# Altium PCB adc_brd_raton_v0.PcbDoc (part 1 of 5) (continued)
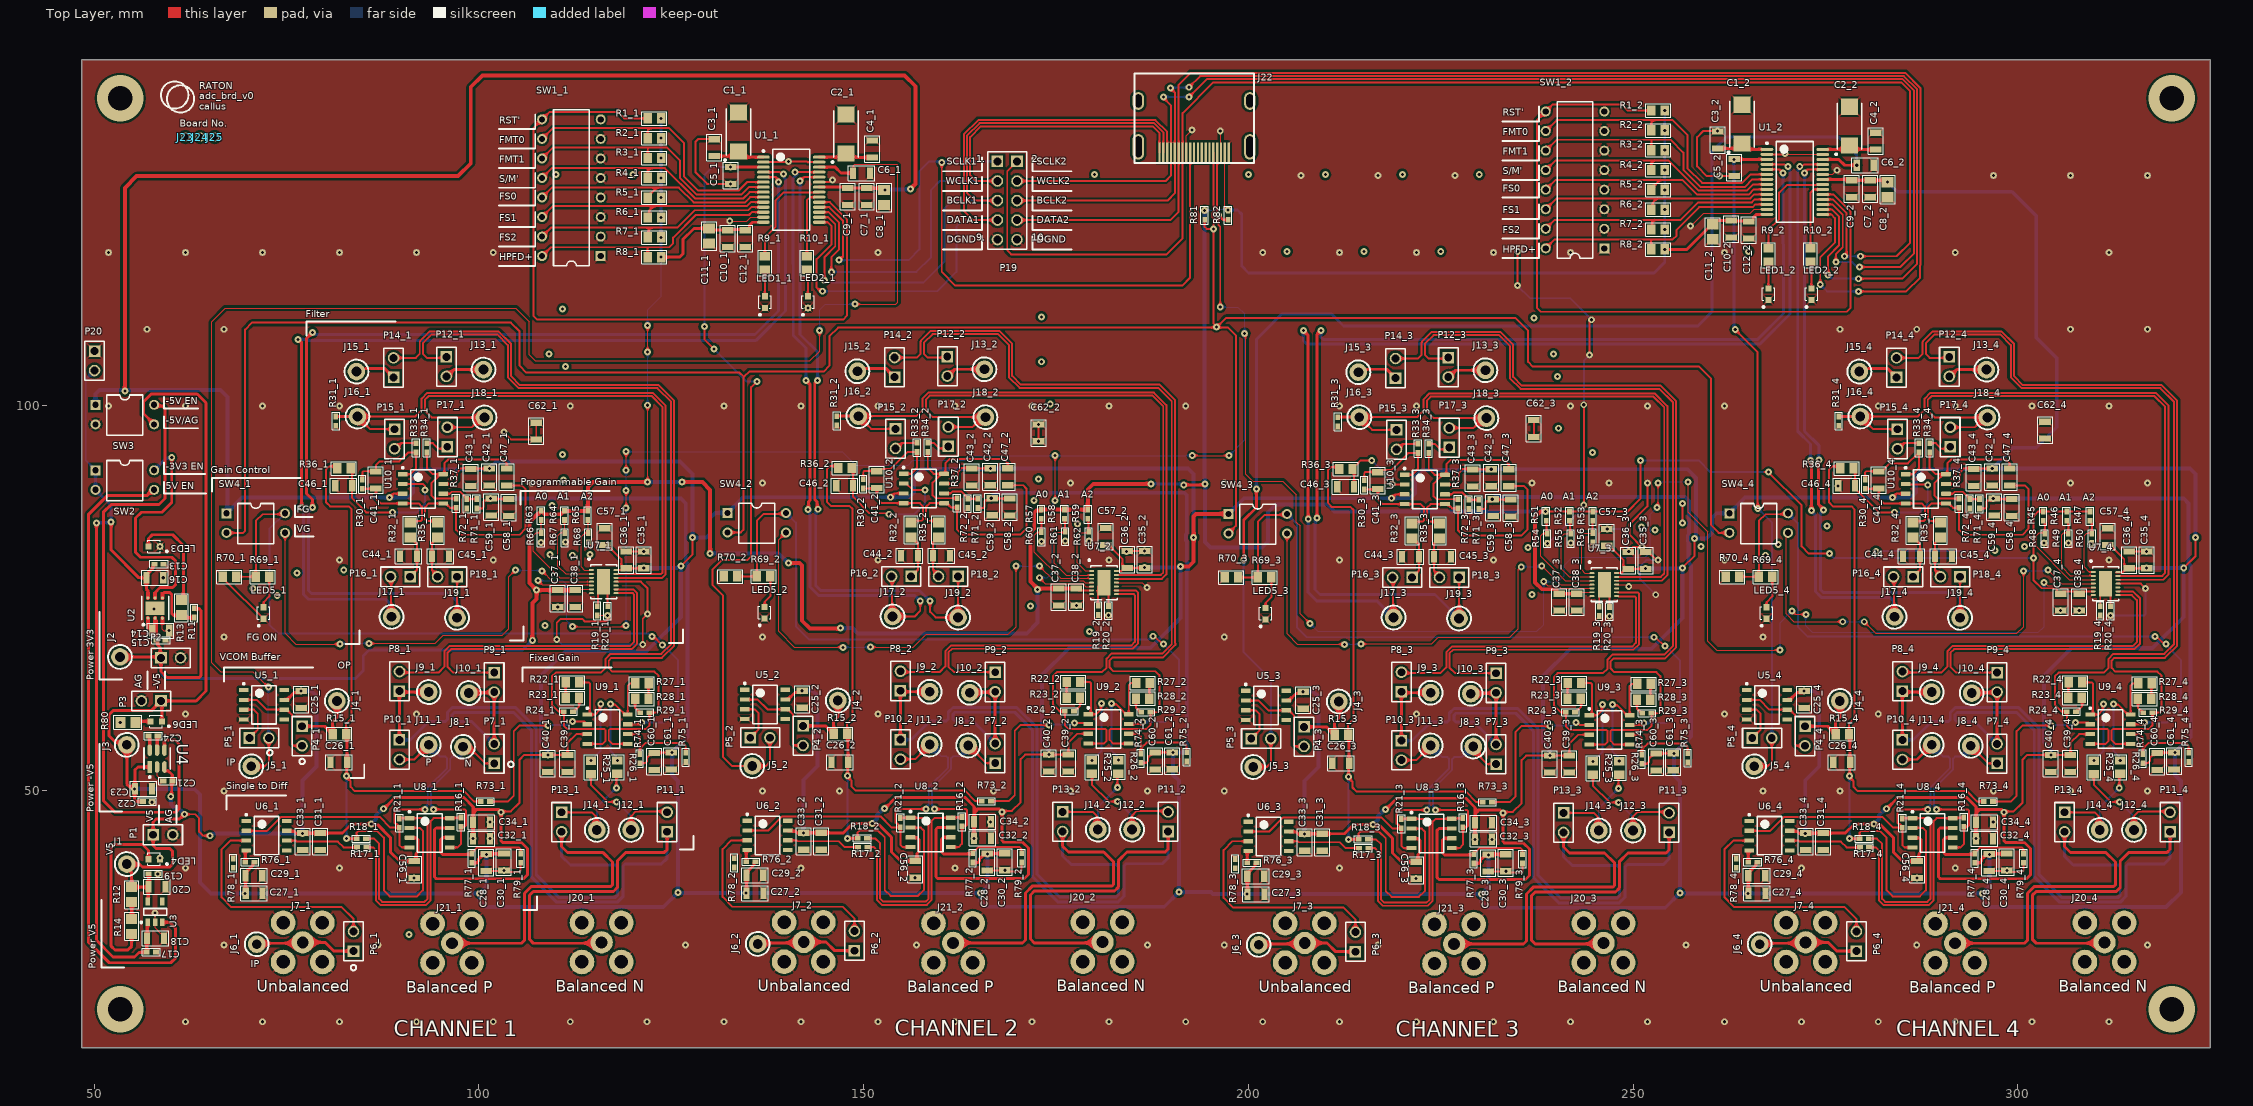
[diagram p0: Top Layer view]
## Components (designator, comment, footprint, x,y, rotation, side; value= is the part's Value field where it differs from the comment) (continued)
C44_4 "CAP 0.1uF CER 0805 50V  X7R 5%" 0805-M#1 286.174,80.391 r180 top value=100nF (schematic designator C44)
C45_1 "CAP 0.1uF CER 0805 50V  X7R 5%" 0805-M#1 94.996,80.391 r0 top value=100nF (schematic designator C45)
C45_2 "CAP 0.1uF CER 0805 50V  X7R 5%" 0805-M#1 160.105,80.434 r0 top value=100nF (schematic designator C45)
C45_3 "CAP 0.1uF CER 0805 50V  X7R 5%" 0805-M#1 225.213,80.307 r0 top value=100nF (schematic designator C45)
C45_4 "CAP 0.1uF CER 0805 50V  X7R 5%" 0805-M#1 290.322,80.391 r0 top value=100nF (schematic designator C45)
C46_1 "CAP 0.1uF CER 0805 50V  X7R 5%" 0805-M#1 82.423,89.535 r180 top value=100nF (schematic designator C46)
C46_2 "CAP 0.1uF CER 0805 50V  X7R 5%" 0805-M#1 147.532,89.578 r180 top value=100nF (schematic designator C46)
C46_3 "CAP 0.1uF CER 0805 50V  X7R 5%" 0805-M#1 212.64,89.451 r180 top value=100nF (schematic designator C46)
C46_4 "CAP 0.1uF CER 0805 50V  X7R 5%" 0805-M#1 277.749,89.535 r180 top value=100nF (schematic designator C46)
C47_1 "CAP 1nF CER 0805 25V X7R 5%" 0805-M#1 103.632,90.678 r270 top value=1nF (schematic designator C47)
C47_2 "CAP 1nF CER 0805 25V X7R 5%" 0805-M#1 168.741,90.721 r270 top value=1nF (schematic designator C47)
C47_3 "CAP 1nF CER 0805 25V X7R 5%" 0805-M#1 233.849,90.594 r270 top value=1nF (schematic designator C47)
C47_4 "CAP 1nF CER 0805 25V X7R 5%" 0805-M#1 298.958,90.678 r270 top value=1nF (schematic designator C47)
C56_1 "CAP 0.1uF CER 0805 50V  X7R 5%" 0805-M#1 91.567,39.667 r270 top value=100nF (schematic designator C56)
C56_2 "CAP 0.1uF CER 0805 50V  X7R 5%" 0805-M#1 156.676,39.71 r270 top value=100nF (schematic designator C56)
C56_3 "CAP 0.1uF CER 0805 50V  X7R 5%" 0805-M#1 221.784,39.583 r270 top value=100nF (schematic designator C56)
C56_4 "CAP 0.1uF CER 0805 50V  X7R 5%" 0805-M#1 286.893,39.667 r270 top value=100nF (schematic designator C56)
C57_1 "CAP 0.1uF CER 0805 50V  X7R 5%" 0805-M#1 116.332,82.931 r270 top value=100nF (schematic designator C57)
C57_2 "CAP 0.1uF CER 0805 50V  X7R 5%" 0805-M#1 181.441,82.974 r270 top value=100nF (schematic designator C57)
C57_3 "CAP 0.1uF CER 0805 50V  X7R 5%" 0805-M#1 246.549,82.847 r270 top value=100nF (schematic designator C57)
C57_4 "CAP 0.1uF CER 0805 50V  X7R 5%" 0805-M#1 311.658,82.931 r270 top value=100nF (schematic designator C57)
C58_1 "CAP 0.1uF CER 0805 50V  X7R 5%" 0805-M#1 103.886,86.741 r270 top value=100nF (schematic designator C58)
C58_2 "CAP 0.1uF CER 0805 50V  X7R 5%" 0805-M#1 168.995,86.784 r270 top value=100nF (schematic designator C58)
C58_3 "CAP 0.1uF CER 0805 50V  X7R 5%" 0805-M#1 234.103,86.657 r270 top value=100nF (schematic designator C58)
C58_4 "CAP 0.1uF CER 0805 50V  X7R 5%" 0805-M#1 299.212,86.741 r270 top value=100nF (schematic designator C58)
C59_1 "CAP 10uF CER 0805 25V X5R 10%" 0805-M#1 101.6,86.784 r270 top value=10µF (schematic designator C59)
C59_2 "CAP 10uF CER 0805 25V X5R 10%" 0805-M#1 166.709,86.827 r270 top value=10µF (schematic designator C59)
C59_3 "CAP 10uF CER 0805 25V X5R 10%" 0805-M#1 231.817,86.7 r270 top value=10µF (schematic designator C59)
C59_4 "CAP 10uF CER 0805 25V X5R 10%" 0805-M#1 296.926,86.784 r270 top value=10µF (schematic designator C59)
C60_1 "CAP 0.1uF CER 0805 50V  X7R 5%" 0805-M#1 122.809,53.721 r270 top value=100nF (schematic designator C60)
C60_2 "CAP 0.1uF CER 0805 50V  X7R 5%" 0805-M#1 187.918,53.764 r270 top value=100nF (schematic designator C60)
C60_3 "CAP 0.1uF CER 0805 50V  X7R 5%" 0805-M#1 253.026,53.637 r270 top value=100nF (schematic designator C60)
C60_4 "CAP 0.1uF CER 0805 50V  X7R 5%" 0805-M#1 318.135,53.721 r270 top value=100nF (schematic designator C60)
C61_1 "CAP 10uF CER 0805 25V X5R 10%" 0805-M#1 124.968,53.764 r270 top value=10µF (schematic designator C61)
C61_2 "CAP 10uF CER 0805 25V X5R 10%" 0805-M#1 190.077,53.807 r270 top value=10µF (schematic designator C61)
C61_3 "CAP 10uF CER 0805 25V X5R 10%" 0805-M#1 255.185,53.68 r270 top value=10µF (schematic designator C61)
C61_4 "CAP 10uF CER 0805 25V X5R 10%" 0805-M#1 320.294,53.764 r270 top value=10µF (schematic designator C61)
C62_1 "CAP 0.1uF CER 0805 50V  X7R 5%" 0805-M#1 107.442,96.647 r90 top value=100nF (schematic designator C62)
C62_2 "CAP 0.1uF CER 0805 50V  X7R 5%" 0805-M#1 172.72,96.436 r90 top value=100nF (schematic designator C62)
C62_3 "CAP 0.1uF CER 0805 50V  X7R 5%" 0805-M#1 237.109,96.985 r90 top value=100nF (schematic designator C62)
C62_4 "CAP 0.1uF CER 0805 50V  X7R 5%" 0805-M#1 303.53,96.774 r90 top value=100nF (schematic designator C62)
J1 "151-203-RC" 151-203-RC-Footprint-1 54.229,40.386 r90 top
J2 "151-203-RC" 151-203-RC-Footprint-1 53.34,67.31 r90 top
J3 "151-203-RC" 151-203-RC-Footprint-1 54.229,55.88 r90 top
J4_1 "151-203-RC" 151-203-RC-Footprint-1 81.534,61.595 r0 top (schematic designator J4)
J4_2 "151-203-RC" 151-203-RC-Footprint-1 146.643,61.638 r0 top (schematic designator J4)
J4_3 "151-203-RC" 151-203-RC-Footprint-1 211.751,61.511 r0 top (schematic designator J4)
J4_4 "151-203-RC" 151-203-RC-Footprint-1 276.86,61.595 r0 top (schematic designator J4)
J5_1 "151-203-RC" 151-203-RC-Footprint-1 70.409,53.086 r0 top (schematic designator J5)
J5_2 "151-203-RC" 151-203-RC-Footprint-1 135.518,53.129 r0 top (schematic designator J5)
J5_3 "151-203-RC" 151-203-RC-Footprint-1 200.626,53.002 r0 top (schematic designator J5)
J5_4 "151-203-RC" 151-203-RC-Footprint-1 265.735,53.086 r0 top (schematic designator J5)
J6_1 "151-203-RC" 151-203-RC-Footprint-1 71.12,29.972 r0 top (schematic designator J6)
J6_2 "151-203-RC" 151-203-RC-Footprint-1 136.229,30.015 r0 top (schematic designator J6)
J6_3 "151-203-RC" 151-203-RC-Footprint-1 201.337,29.888 r0 top (schematic designator J6)
J6_4 "151-203-RC" 151-203-RC-Footprint-1 266.446,29.972 r0 top (schematic designator J6)
J7_1 "SMA CONNECTOR" "SMA CONNECTOR-Footprint-1" 77.102,30.213 r0 top (schematic designator J7)
J7_2 "SMA CONNECTOR" "SMA CONNECTOR-Footprint-1" 142.21,30.256 r0 top (schematic designator J7)
J7_3 "SMA CONNECTOR" "SMA CONNECTOR-Footprint-1" 207.319,30.129 r0 top (schematic designator J7)
J7_4 "SMA CONNECTOR" "SMA CONNECTOR-Footprint-1" 272.428,30.213 r0 top (schematic designator J7)
J8_1 "151-203-RC" 151-203-RC-Footprint-1 97.917,55.626 r0 top (schematic designator J8)
J8_2 "151-203-RC" 151-203-RC-Footprint-1 163.576,55.796 r0 top (schematic designator J8)
J8_3 "151-203-RC" 151-203-RC-Footprint-1 229.235,55.669 r0 top (schematic designator J8)
J8_4 "151-203-RC" 151-203-RC-Footprint-1 293.878,55.753 r0 top (schematic designator J8)
J9_1 "151-203-RC" 151-203-RC-Footprint-1 93.472,62.738 r0 top (schematic designator J9)
J9_2 "151-203-RC" 151-203-RC-Footprint-1 158.581,62.781 r0 top (schematic designator J9)
J9_3 "151-203-RC" 151-203-RC-Footprint-1 223.689,62.654 r0 top (schematic designator J9)
J9_4 "151-203-RC" 151-203-RC-Footprint-1 288.798,62.738 r0 top (schematic designator J9)
J10_1 "151-203-RC" 151-203-RC-Footprint-1 98.679,62.611 r0 top (schematic designator J10)
J10_2 "151-203-RC" 151-203-RC-Footprint-1 163.788,62.654 r0 top (schematic designator J10)
J10_3 "151-203-RC" 151-203-RC-Footprint-1 228.896,62.527 r0 top (schematic designator J10)
J10_4 "151-203-RC" 151-203-RC-Footprint-1 294.005,62.611 r0 top (schematic designator J10)
J11_1 "151-203-RC" 151-203-RC-Footprint-1 93.472,55.88 r0 top (schematic designator J11)
J11_2 "151-203-RC" 151-203-RC-Footprint-1 158.581,55.923 r0 top (schematic designator J11)
J11_3 "151-203-RC" 151-203-RC-Footprint-1 223.689,55.796 r0 top (schematic designator J11)
J11_4 "151-203-RC" 151-203-RC-Footprint-1 288.798,55.88 r0 top (schematic designator J11)
J12_1 "151-203-RC" 151-203-RC-Footprint-1 119.761,44.831 r0 top (schematic designator J12)
J12_2 "151-203-RC" 151-203-RC-Footprint-1 184.87,44.874 r0 top (schematic designator J12)
J12_3 "151-203-RC" 151-203-RC-Footprint-1 249.978,44.747 r0 top (schematic designator J12)
J12_4 "151-203-RC" 151-203-RC-Footprint-1 315.087,44.831 r0 top (schematic designator J12)
J13_1 "151-203-RC" 151-203-RC-Footprint-1 100.584,104.648 r0 top (schematic designator J13)
J13_2 "151-203-RC" 151-203-RC-Footprint-1 165.693,104.691 r0 top (schematic designator J13)
J13_3 "151-203-RC" 151-203-RC-Footprint-1 230.801,104.564 r0 top (schematic designator J13)
J13_4 "151-203-RC" 151-203-RC-Footprint-1 295.91,104.648 r0 top (schematic designator J13)
J14_1 "151-203-RC" 151-203-RC-Footprint-1 115.316,44.831 r0 top (schematic designator J14)
J14_2 "151-203-RC" 151-203-RC-Footprint-1 180.425,44.874 r0 top (schematic designator J14)
J14_3 "151-203-RC" 151-203-RC-Footprint-1 245.533,44.747 r0 top (schematic designator J14)
J14_4 "151-203-RC" 151-203-RC-Footprint-1 310.642,44.831 r0 top (schematic designator J14)
J15_1 "151-203-RC" 151-203-RC-Footprint-1 84.074,104.394 r0 top (schematic designator J15)
J15_2 "151-203-RC" 151-203-RC-Footprint-1 149.183,104.437 r0 top (schematic designator J15)
J15_3 "151-203-RC" 151-203-RC-Footprint-1 214.291,104.31 r0 top (schematic designator J15)
J15_4 "151-203-RC" 151-203-RC-Footprint-1 279.4,104.394 r0 top (schematic designator J15)
J16_1 "151-203-RC" 151-203-RC-Footprint-1 84.201,98.552 r0 top (schematic designator J16)
J16_2 "151-203-RC" 151-203-RC-Footprint-1 149.31,98.595 r0 top (schematic designator J16)
J16_3 "151-203-RC" 151-203-RC-Footprint-1 214.418,98.468 r0 top (schematic designator J16)
J16_4 "151-203-RC" 151-203-RC-Footprint-1 279.527,98.552 r0 top (schematic designator J16)
J17_1 "151-203-RC" 151-203-RC-Footprint-1 88.646,72.517 r0 top (schematic designator J17)
J17_2 "151-203-RC" 151-203-RC-Footprint-1 153.755,72.56 r0 top (schematic designator J17)
J17_3 "151-203-RC" 151-203-RC-Footprint-1 218.863,72.433 r0 top (schematic designator J17)
J17_4 "151-203-RC" 151-203-RC-Footprint-1 283.972,72.517 r0 top (schematic designator J17)
J18_1 "151-203-RC" 151-203-RC-Footprint-1 100.711,98.425 r0 top (schematic designator J18)
J18_2 "151-203-RC" 151-203-RC-Footprint-1 165.82,98.468 r0 top (schematic designator J18)
J18_3 "151-203-RC" 151-203-RC-Footprint-1 230.928,98.341 r0 top (schematic designator J18)
J18_4 "151-203-RC" 151-203-RC-Footprint-1 296.037,98.425 r0 top (schematic designator J18)
J19_1 "151-203-RC" 151-203-RC-Footprint-1 97.155,72.39 r0 top (schematic designator J19)
J19_2 "151-203-RC" 151-203-RC-Footprint-1 162.264,72.433 r0 top (schematic designator J19)
J19_3 "151-203-RC" 151-203-RC-Footprint-1 227.372,72.306 r0 top (schematic designator J19)
J19_4 "151-203-RC" 151-203-RC-Footprint-1 292.481,72.39 r0 top (schematic designator J19)
J20_1 "SMA CONNECTOR" "SMA CONNECTOR-Footprint-1" 115.938,30.213 r0 top (schematic designator J20)
J20_2 "SMA CONNECTOR" "SMA CONNECTOR-Footprint-1" 181.047,30.256 r0 top (schematic designator J20)
J20_3 "SMA CONNECTOR" "SMA CONNECTOR-Footprint-1" 246.156,30.129 r0 top (schematic designator J20)
J20_4 "SMA CONNECTOR" "SMA CONNECTOR-Footprint-1" 311.264,30.213 r0 top (schematic designator J20)
J21_1 "SMA CONNECTOR" "SMA CONNECTOR-Footprint-1" 96.52,30.099 r0 top (schematic designator J21)
J21_2 "SMA CONNECTOR" "SMA CONNECTOR-Footprint-1" 161.629,30.142 r0 top (schematic designator J21)
J21_3 "SMA CONNECTOR" "SMA CONNECTOR-Footprint-1" 226.737,30.015 r0 top (schematic designator J21)
J21_4 "SMA CONNECTOR" "SMA CONNECTOR-Footprint-1" 291.846,30.099 r0 top (schematic designator J21)
J22 "2086581051" 2086581051 192.937,131.542 r180 top
J23 "1PIN Debug" "1 Pin Debug Port 0.9mm" 61.849,134.874 r90 top
J24 "1PIN Debug" "1 Pin Debug Port 0.9mm" 63.754,134.874 r90 top
J25 "1PIN Debug" "1 Pin Debug Port 0.9mm" 65.659,134.874 r90 top
LED1_1 "LED 0603 Red 20mA 1.7V" "0603 Generic" 137.16,113.423 r90 top (schematic designator LED1)
LED1_2 "LED 0603 Red 20mA 1.7V" "0603 Generic" 267.589,114.439 r90 top (schematic designator LED1)
LED2_1 "LED 0603 Red 20mA 1.7V" "0603 Generic" 142.748,113.423 r90 top (schematic designator LED2)
LED2_2 "LED 0603 Red 20mA 1.7V" "0603 Generic" 273.177,114.439 r90 top (schematic designator LED2)
LED3 "LED 0603 Green 20mA 1.8V" "0603 Generic" 57.785,81.661 r180 top
LED4 "LED 0603 Green 20mA 1.8V" "0603 Generic" 57.797,41.021 r180 top
LED5_1 "LED 0603 Red 20mA 1.7V" "0603 Generic" 72.009,73.013 r90 top (schematic designator LED5)
LED5_2 "LED 0603 Red 20mA 1.7V" "0603 Generic" 137.118,73.056 r90 top (schematic designator LED5)
LED5_3 "LED 0603 Red 20mA 1.7V" "0603 Generic" 202.226,72.929 r90 top (schematic designator LED5)
LED5_4 "LED 0603 Red 20mA 1.7V" "0603 Generic" 267.335,73.013 r90 top (schematic designator LED5)
LED6 "LED 0603 Green 20mA 1.8V" "0603 Generic" 58.051,58.928 r180 top
P1 "GENERIC 2PIN HEADER MALE" "GENERIC 2PIN HEADER 0" 57.658,44.196 r90 top
P2 "GENERIC 2PIN HEADER MALE" "GENERIC 2PIN HEADER 0" 58.674,67.183 r90 top
P3 "GENERIC 2PIN HEADER MALE" "GENERIC 2PIN HEADER 0" 58.674,61.595 r270 top
P4_1 "GENERIC 2PIN HEADER MALE" "GENERIC 2PIN HEADER 0" 77.013,58.293 r0 top (schematic designator P4)
P4_2 "GENERIC 2PIN HEADER MALE" "GENERIC 2PIN HEADER 0" 142.122,58.336 r0 top (schematic designator P4)
P4_3 "GENERIC 2PIN HEADER MALE" "GENERIC 2PIN HEADER 0" 207.23,58.209 r0 top (schematic designator P4)
P4_4 "GENERIC 2PIN HEADER MALE" "GENERIC 2PIN HEADER 0" 272.339,58.293 r0 top (schematic designator P4)
P5_1 "GENERIC 2PIN HEADER MALE" "GENERIC 2PIN HEADER 0" 70.155,56.769 r90 top (schematic designator P5)
P5_2 "GENERIC 2PIN HEADER MALE" "GENERIC 2PIN HEADER 0" 135.264,56.812 r90 top (schematic designator P5)
P5_3 "GENERIC 2PIN HEADER MALE" "GENERIC 2PIN HEADER 0" 200.372,56.685 r90 top (schematic designator P5)
P5_4 "GENERIC 2PIN HEADER MALE" "GENERIC 2PIN HEADER 0" 265.481,56.769 r90 top (schematic designator P5)
P6_1 "GENERIC 2PIN HEADER MALE" "GENERIC 2PIN HEADER 0" 83.693,29.083 r180 top (schematic designator P6)
P6_2 "GENERIC 2PIN HEADER MALE" "GENERIC 2PIN HEADER 0" 148.802,29.126 r180 top (schematic designator P6)
P6_3 "GENERIC 2PIN HEADER MALE" "GENERIC 2PIN HEADER 0" 213.91,28.999 r180 top (schematic designator P6)
P6_4 "GENERIC 2PIN HEADER MALE" "GENERIC 2PIN HEADER 0" 279.019,29.083 r180 top (schematic designator P6)
P7_1 "GENERIC 2PIN HEADER MALE" "GENERIC 2PIN HEADER 0" 101.981,53.467 r180 top (schematic designator P7)
P7_2 "GENERIC 2PIN HEADER MALE" "GENERIC 2PIN HEADER 0" 167.09,53.51 r180 top (schematic designator P7)
P7_3 "GENERIC 2PIN HEADER MALE" "GENERIC 2PIN HEADER 0" 232.198,53.383 r180 top (schematic designator P7)
P7_4 "GENERIC 2PIN HEADER MALE" "GENERIC 2PIN HEADER 0" 297.307,53.467 r180 top (schematic designator P7)
P8_1 "GENERIC 2PIN HEADER MALE" "GENERIC 2PIN HEADER 0" 89.662,62.865 r180 top (schematic designator P8)
P8_2 "GENERIC 2PIN HEADER MALE" "GENERIC 2PIN HEADER 0" 154.771,62.908 r180 top (schematic designator P8)
P8_3 "GENERIC 2PIN HEADER MALE" "GENERIC 2PIN HEADER 0" 219.879,62.781 r180 top (schematic designator P8)
P8_4 "GENERIC 2PIN HEADER MALE" "GENERIC 2PIN HEADER 0" 284.988,62.865 r180 top (schematic designator P8)
P9_1 "GENERIC 2PIN HEADER MALE" "GENERIC 2PIN HEADER 0" 101.981,65.278 r0 top (schematic designator P9)
P9_2 "GENERIC 2PIN HEADER MALE" "GENERIC 2PIN HEADER 0" 167.09,65.321 r0 top (schematic designator P9)
P9_3 "GENERIC 2PIN HEADER MALE" "GENERIC 2PIN HEADER 0" 232.198,65.194 r0 top (schematic designator P9)
P9_4 "GENERIC 2PIN HEADER MALE" "GENERIC 2PIN HEADER 0" 297.307,65.278 r0 top (schematic designator P9)
P10_1 "GENERIC 2PIN HEADER MALE" "GENERIC 2PIN HEADER 0" 89.662,56.515 r0 top (schematic designator P10)
P10_2 "GENERIC 2PIN HEADER MALE" "GENERIC 2PIN HEADER 0" 154.771,56.558 r0 top (schematic designator P10)
P10_3 "GENERIC 2PIN HEADER MALE" "GENERIC 2PIN HEADER 0" 219.879,56.431 r0 top (schematic designator P10)
P10_4 "GENERIC 2PIN HEADER MALE" "GENERIC 2PIN HEADER 0" 284.988,56.515 r0 top (schematic designator P10)
P11_1 "GENERIC 2PIN HEADER MALE" "GENERIC 2PIN HEADER 0" 124.46,44.577 r180 top (schematic designator P11)
P11_2 "GENERIC 2PIN HEADER MALE" "GENERIC 2PIN HEADER 0" 189.569,44.62 r180 top (schematic designator P11)
P11_3 "GENERIC 2PIN HEADER MALE" "GENERIC 2PIN HEADER 0" 254.677,44.493 r180 top (schematic designator P11)
P11_4 "GENERIC 2PIN HEADER MALE" "GENERIC 2PIN HEADER 0" 319.786,44.577 r180 top (schematic designator P11)
P12_1 "GENERIC 2PIN HEADER MALE" "GENERIC 2PIN HEADER 0" 95.758,106.299 r0 top (schematic designator P12)
P12_2 "GENERIC 2PIN HEADER MALE" "GENERIC 2PIN HEADER 0" 160.867,106.342 r0 top (schematic designator P12)
P12_3 "GENERIC 2PIN HEADER MALE" "GENERIC 2PIN HEADER 0" 225.975,106.215 r0 top (schematic designator P12)
P12_4 "GENERIC 2PIN HEADER MALE" "GENERIC 2PIN HEADER 0" 291.084,106.299 r0 top (schematic designator P12)
P13_1 "GENERIC 2PIN HEADER MALE" "GENERIC 2PIN HEADER 0" 110.744,47.117 r0 top (schematic designator P13)
P13_2 "GENERIC 2PIN HEADER MALE" "GENERIC 2PIN HEADER 0" 175.853,47.16 r0 top (schematic designator P13)
P13_3 "GENERIC 2PIN HEADER MALE" "GENERIC 2PIN HEADER 0" 240.961,47.033 r0 top (schematic designator P13)
P13_4 "GENERIC 2PIN HEADER MALE" "GENERIC 2PIN HEADER 0" 306.07,47.117 r0 top (schematic designator P13)
P14_1 "GENERIC 2PIN HEADER MALE" "GENERIC 2PIN HEADER 0" 88.9,103.632 r180 top (schematic designator P14)
P14_2 "GENERIC 2PIN HEADER MALE" "GENERIC 2PIN HEADER 0" 154.009,103.675 r180 top (schematic designator P14)
P14_3 "GENERIC 2PIN HEADER MALE" "GENERIC 2PIN HEADER 0" 219.117,103.548 r180 top (schematic designator P14)
P14_4 "GENERIC 2PIN HEADER MALE" "GENERIC 2PIN HEADER 0" 284.226,103.632 r180 top (schematic designator P14)
P15_1 "GENERIC 2PIN HEADER MALE" "GENERIC 2PIN HEADER 0" 89.027,96.901 r0 top (schematic designator P15)
P15_2 "GENERIC 2PIN HEADER MALE" "GENERIC 2PIN HEADER 0" 154.136,96.944 r0 top (schematic designator P15)
P15_3 "GENERIC 2PIN HEADER MALE" "GENERIC 2PIN HEADER 0" 219.244,96.817 r0 top (schematic designator P15)
P15_4 "GENERIC 2PIN HEADER MALE" "GENERIC 2PIN HEADER 0" 284.353,96.901 r0 top (schematic designator P15)
P16_1 "GENERIC 2PIN HEADER MALE" "GENERIC 2PIN HEADER 0" 91.059,77.724 r270 top (schematic designator P16)
P16_2 "GENERIC 2PIN HEADER MALE" "GENERIC 2PIN HEADER 0" 156.168,77.767 r270 top (schematic designator P16)
P16_3 "GENERIC 2PIN HEADER MALE" "GENERIC 2PIN HEADER 0" 221.276,77.64 r270 top (schematic designator P16)
P16_4 "GENERIC 2PIN HEADER MALE" "GENERIC 2PIN HEADER 0" 286.385,77.724 r270 top (schematic designator P16)
P17_1 "GENERIC 2PIN HEADER MALE" "GENERIC 2PIN HEADER 0" 95.885,94.615 r180 top (schematic designator P17)
P17_2 "GENERIC 2PIN HEADER MALE" "GENERIC 2PIN HEADER 0" 160.994,94.658 r180 top (schematic designator P17)
P17_3 "GENERIC 2PIN HEADER MALE" "GENERIC 2PIN HEADER 0" 226.102,94.531 r180 top (schematic designator P17)
P17_4 "GENERIC 2PIN HEADER MALE" "GENERIC 2PIN HEADER 0" 291.211,94.615 r180 top (schematic designator P17)
P18_1 "GENERIC 2PIN HEADER MALE" "GENERIC 2PIN HEADER 0" 97.155,77.724 r270 top (schematic designator P18)
P18_2 "GENERIC 2PIN HEADER MALE" "GENERIC 2PIN HEADER 0" 162.264,77.767 r270 top (schematic designator P18)
P18_3 "GENERIC 2PIN HEADER MALE" "GENERIC 2PIN HEADER 0" 227.372,77.64 r270 top (schematic designator P18)
P18_4 "GENERIC 2PIN HEADER MALE" "GENERIC 2PIN HEADER 0" 292.481,77.724 r270 top (schematic designator P18)
P19 "GENERIC 5x2 PINS HEADER MALE" "GENERIC 5PIN 2ROW HEADER 0" 167.386,131.699 r0 top
P20 "GENERIC 2PIN HEADER MALE" "GENERIC 2PIN HEADER 0" 50.038,107.061 r0 top
R1_1 "RES 10k 0805 125mW 1%" 0805-M#2 122.809,137.299 r0 top value=10k (schematic designator R1)
R1_2 "RES 10k 0805 125mW 1%" 0805-M#2 253.238,138.315 r0 top value=10k (schematic designator R1)
R2_1 "RES 10k 0805 125mW 1%" 0805-M#2 122.809,134.723 r0 top value=10k (schematic designator R2)
R2_2 "RES 10k 0805 125mW 1%" 0805-M#2 253.238,135.739 r0 top value=10k (schematic designator R2)
R3_1 "RES 10k 0805 125mW 1%" 0805-M#2 122.809,132.146 r0 top value=10k (schematic designator R3)
R3_2 "RES 10k 0805 125mW 1%" 0805-M#2 253.238,133.162 r0 top value=10k (schematic designator R3)
R4_1 "RES 10k 0805 125mW 1%" 0805-M#2 122.809,129.57 r0 top value=10k (schematic designator R4)
R4_2 "RES 10k 0805 125mW 1%" 0805-M#2 253.238,130.586 r0 top value=10k (schematic designator R4)
R5_1 "RES 10k 0805 125mW 1%" 0805-M#2 122.809,126.994 r0 top value=10k (schematic designator R5)
R5_2 "RES 10k 0805 125mW 1%" 0805-M#2 253.238,128.01 r0 top value=10k (schematic designator R5)
R6_1 "RES 10k 0805 125mW 1%" 0805-M#2 122.809,124.418 r0 top value=10k (schematic designator R6)
R6_2 "RES 10k 0805 125mW 1%" 0805-M#2 253.238,125.434 r0 top value=10k (schematic designator R6)
R7_1 "RES 10k 0805 125mW 1%" 0805-M#2 122.809,121.841 r0 top value=10k (schematic designator R7)
R7_2 "RES 10k 0805 125mW 1%" 0805-M#2 253.238,122.857 r0 top value=10k (schematic designator R7)
R8_1 "RES 10k 0805 125mW 1%" 0805-M#2 122.809,119.265 r0 top value=10k (schematic designator R8)
R8_2 "RES 10k 0805 125mW 1%" 0805-M#2 253.238,120.281 r0 top value=10k (schematic designator R8)
R9_1 "RES 1k 0805 125mW 5%" 0805-M#2 137.16,118.503 r270 top value=1k (schematic designator R9)
R9_2 "RES 1k 0805 125mW 5%" 0805-M#2 267.589,119.519 r270 top value=1k (schematic designator R9)
R10_1 "RES 1k 0805 125mW 5%" 0805-M#2 142.621,118.503 r270 top value=1k (schematic designator R10)
R10_2 "RES 1k 0805 125mW 5%" 0805-M#2 273.05,119.519 r270 top value=1k (schematic designator R10)
R11 "RES 10k 0402 63mW 5%" 0402-M#2 62.992,73.025 r90 top value=10k
R12 "RES 100 0805 125mW 1%" 0805-L#2 54.864,36.408 r90 top value=100
R13 "RES 100 0805 125mW 1%" 0805-L#2 61.341,73.701 r270 top value=100
R14 "RES 100 0805 125mW 1%" 0805-L#2 54.864,32.299 r90 top value=100
R15_1 "RES 1k 0805 125mW 5%" 0805-M#2 81.853,57.277 r0 top value=1k (schematic designator R15)
R15_2 "RES 1k 0805 125mW 5%" 0805-M#2 146.962,57.32 r0 top value=1k (schematic designator R15)
R15_3 "RES 1k 0805 125mW 5%" 0805-M#2 212.07,57.193 r0 top value=1k (schematic designator R15)
R15_4 "RES 1k 0805 125mW 5%" 0805-M#2 277.179,57.277 r0 top value=1k (schematic designator R15)
R16_1 "RES 10k 0402 63mW 5%" 0402-M#2 97.663,45.847 r270 top value=10k (schematic designator R16)
R16_2 "RES 10k 0402 63mW 5%" 0402-M#2 162.772,45.89 r270 top value=10k (schematic designator R16)
R16_3 "RES 10k 0402 63mW 5%" 0402-M#2 227.88,45.763 r270 top value=10k (schematic designator R16)
R16_4 "RES 10k 0402 63mW 5%" 0402-M#2 292.989,45.847 r270 top value=10k (schematic designator R16)
R17_1 "RES 10k 0402 63mW 5%" 0402-M#2 84.744,42.545 r0 top value=10k (schematic designator R17)
R17_2 "RES 10k 0402 63mW 5%" 0402-M#2 149.853,42.588 r0 top value=10k (schematic designator R17)
R17_3 "RES 10k 0402 63mW 5%" 0402-M#2 214.961,42.461 r0 top value=10k (schematic designator R17)
R17_4 "RES 10k 0402 63mW 5%" 0402-M#2 280.07,42.545 r0 top value=10k (schematic designator R17)
R18_1 "RES 10k 0402 63mW 5%" 0402-M#2 84.709,43.688 r0 top value=10k (schematic designator R18)
R18_2 "RES 10k 0402 63mW 5%" 0402-M#2 149.818,43.731 r0 top value=10k (schematic designator R18)
R18_3 "RES 10k 0402 63mW 5%" 0402-M#2 214.926,43.604 r0 top value=10k (schematic designator R18)
R18_4 "RES 10k 0402 63mW 5%" 0402-M#2 280.035,43.688 r0 top value=10k (schematic designator R18)
R19_1 "RES 0 0402 63mW" 0402-M#2 115.382,73.305 r90 top value=0 (schematic designator R19)
R19_2 "RES 0 0402 63mW" 0402-M#2 180.49,73.348 r90 top value=0 (schematic designator R19)
R19_3 "RES 0 0402 63mW" 0402-M#2 245.599,73.221 r90 top value=0 (schematic designator R19)
R19_4 "RES 0 0402 63mW" 0402-M#2 310.707,73.305 r90 top value=0 (schematic designator R19)
R20_1 "RES 0 0402 63mW" 0402-M#2 116.713,73.279 r90 top value=0 (schematic designator R20)
R20_2 "RES 0 0402 63mW" 0402-M#2 181.822,73.322 r90 top value=0 (schematic designator R20)
R20_3 "RES 0 0402 63mW" 0402-M#2 246.93,73.195 r90 top value=0 (schematic designator R20)
R20_4 "RES 0 0402 63mW" 0402-M#2 312.039,73.279 r90 top value=0 (schematic designator R20)
R21_1 "RES 10k 0402 63mW 5%" 0402-M#2 89.662,45.72 r270 top value=10k (schematic designator R21)
R21_2 "RES 10k 0402 63mW 5%" 0402-M#2 154.771,45.763 r270 top value=10k (schematic designator R21)
R21_3 "RES 10k 0402 63mW 5%" 0402-M#2 219.879,45.636 r270 top value=10k (schematic designator R21)
R21_4 "RES 10k 0402 63mW 5%" 0402-M#2 284.988,45.72 r270 top value=10k (schematic designator R21)
R22_1 "RES 10k 0805 125mW 1%" 0805-M#2 112.141,64.008 r180 top value=10k (schematic designator R22)
R22_2 "RES 10k 0805 125mW 1%" 0805-M#2 177.25,64.051 r180 top value=10k (schematic designator R22)
R22_3 "RES 10k 0805 125mW 1%" 0805-M#2 242.358,63.924 r180 top value=10k (schematic designator R22)
R22_4 "RES 10k 0805 125mW 1%" 0805-M#2 307.467,64.008 r180 top value=10k (schematic designator R22)
R23_1 "RES 10k 0805 125mW 1%" 0805-M#2 112.127,61.976 r0 top value=10k (schematic designator R23)
R23_2 "RES 10k 0805 125mW 1%" 0805-M#2 177.236,62.019 r0 top value=10k (schematic designator R23)
R23_3 "RES 10k 0805 125mW 1%" 0805-M#2 242.344,61.892 r0 top value=10k (schematic designator R23)
R23_4 "RES 10k 0805 125mW 1%" 0805-M#2 307.453,61.976 r0 top value=10k (schematic designator R23)
R24_1 "RES 0 0402 63mW" 0402-M#2 111.633,60.198 r180 top value=0 (schematic designator R24)
R24_2 "RES 0 0402 63mW" 0402-M#2 176.742,60.241 r180 top value=0 (schematic designator R24)
R24_3 "RES 0 0402 63mW" 0402-M#2 241.85,60.114 r180 top value=0 (schematic designator R24)
R24_4 "RES 0 0402 63mW" 0402-M#2 306.959,60.198 r180 top value=0 (schematic designator R24)
R25_1 "RES 1k 0805 125mW 5%" 0805-M#2 114.554,52.945 r270 top value=1k (schematic designator R25)
R25_2 "RES 1k 0805 125mW 5%" 0805-M#2 179.663,52.988 r270 top value=1k (schematic designator R25)
R25_3 "RES 1k 0805 125mW 5%" 0805-M#2 244.771,52.861 r270 top value=1k (schematic designator R25)
R25_4 "RES 1k 0805 125mW 5%" 0805-M#2 309.88,52.945 r270 top value=1k (schematic designator R25)
R26_1 "RES 1k 0805 125mW 5%" 0805-M#2 117.983,52.973 r270 top value=1k (schematic designator R26)
R26_2 "RES 1k 0805 125mW 5%" 0805-M#2 183.092,53.016 r270 top value=1k (schematic designator R26)
R26_3 "RES 1k 0805 125mW 5%" 0805-M#2 248.2,52.889 r270 top value=1k (schematic designator R26)
R26_4 "RES 1k 0805 125mW 5%" 0805-M#2 313.309,52.973 r270 top value=1k (schematic designator R26)
R27_1 "RES 10k 0805 125mW 1%" 0805-M#2 121.172,63.881 r0 top value=10k (schematic designator R27)
R27_2 "RES 10k 0805 125mW 1%" 0805-M#2 186.281,63.924 r0 top value=10k (schematic designator R27)
R27_3 "RES 10k 0805 125mW 1%" 0805-M#2 251.389,63.797 r0 top value=10k (schematic designator R27)
R27_4 "RES 10k 0805 125mW 1%" 0805-M#2 316.498,63.881 r0 top value=10k (schematic designator R27)
R28_1 "RES 10k 0805 125mW 1%" 0805-M#2 121.158,61.849 r180 top value=10k (schematic designator R28)
R28_2 "RES 10k 0805 125mW 1%" 0805-M#2 186.267,61.892 r180 top value=10k (schematic designator R28)
R28_3 "RES 10k 0805 125mW 1%" 0805-M#2 251.375,61.765 r180 top value=10k (schematic designator R28)
R28_4 "RES 10k 0805 125mW 1%" 0805-M#2 316.484,61.849 r180 top value=10k (schematic designator R28)
R29_1 "RES 0 0402 63mW" 0402-M#2 121.574,60.071 r0 top value=0 (schematic designator R29)
R29_2 "RES 0 0402 63mW" 0402-M#2 186.683,60.114 r0 top value=0 (schematic designator R29)
R29_3 "RES 0 0402 63mW" 0402-M#2 251.791,59.987 r0 top value=0 (schematic designator R29)
R29_4 "RES 0 0402 63mW" 0402-M#2 316.9,60.071 r0 top value=0 (schematic designator R29)
R30_1 "RES 7.5k 0402 63mW 5%" 0402-M#2 84.836,89.754 r270 top value=7.5k (schematic designator R30)
R30_2 "RES 7.5k 0402 63mW 5%" 0402-M#2 149.945,89.797 r270 top value=7.5k (schematic designator R30)
R30_3 "RES 7.5k 0402 63mW 5%" 0402-M#2 215.053,89.67 r270 top value=7.5k (schematic designator R30)
R30_4 "RES 7.5k 0402 63mW 5%" 0402-M#2 280.162,89.754 r270 top value=7.5k (schematic designator R30)
R31_1 "RES 0 0402 63mW" 0402-M#2 81.407,97.952 r90 top value=0 (schematic designator R31)
R31_2 "RES 0 0402 63mW" 0402-M#2 146.516,97.995 r90 top value=0 (schematic designator R31)
R31_3 "RES 0 0402 63mW" 0402-M#2 211.624,97.868 r90 top value=0 (schematic designator R31)
R31_4 "RES 0 0402 63mW" 0402-M#2 276.733,97.952 r90 top value=0 (schematic designator R31)
R32_1 "RES 50 0805 125mW 1%" 0805-L#2 91.059,83.779 r270 top value=50 (schematic designator R32)
R32_2 "RES 50 0805 125mW 1%" 0805-L#2 156.168,83.822 r270 top value=50 (schematic designator R32)
R32_3 "RES 50 0805 125mW 1%" 0805-L#2 221.276,83.695 r270 top value=50 (schematic designator R32)
R32_4 "RES 50 0805 125mW 1%" 0805-L#2 286.385,83.779 r270 top value=50 (schematic designator R32)
R33_1 "RES 7.5k 0402 63mW 5%" 0402-M#2 91.821,94.488 r270 top value=7.5k (schematic designator R33)
R33_2 "RES 7.5k 0402 63mW 5%" 0402-M#2 156.93,94.531 r270 top value=7.5k (schematic designator R33)
R33_3 "RES 7.5k 0402 63mW 5%" 0402-M#2 222.038,94.404 r270 top value=7.5k (schematic designator R33)
R33_4 "RES 7.5k 0402 63mW 5%" 0402-M#2 287.147,94.488 r270 top value=7.5k (schematic designator R33)
R34_1 "RES 7.5k 0402 63mW 5%" 0402-M#2 93.218,94.488 r270 top value=7.5k (schematic designator R34)
R34_2 "RES 7.5k 0402 63mW 5%" 0402-M#2 158.327,94.531 r270 top value=7.5k (schematic designator R34)
R34_3 "RES 7.5k 0402 63mW 5%" 0402-M#2 223.435,94.404 r270 top value=7.5k (schematic designator R34)
R34_4 "RES 7.5k 0402 63mW 5%" 0402-M#2 288.544,94.488 r270 top value=7.5k (schematic designator R34)
R35_1 "RES 50 0805 125mW 1%" 0805-L#2 94.615,83.779 r270 top value=50 (schematic designator R35)
R35_2 "RES 50 0805 125mW 1%" 0805-L#2 159.724,83.822 r270 top value=50 (schematic designator R35)
R35_3 "RES 50 0805 125mW 1%" 0805-L#2 224.832,83.695 r270 top value=50 (schematic designator R35)
R35_4 "RES 50 0805 125mW 1%" 0805-L#2 289.941,83.779 r270 top value=50 (schematic designator R35)
R36_1 "RES 1k 0805 125mW 5%" 0805-M#2 82.437,91.821 r0 top value=1k (schematic designator R36)
R36_2 "RES 1k 0805 125mW 5%" 0805-M#2 147.546,91.864 r0 top value=1k (schematic designator R36)
R36_3 "RES 1k 0805 125mW 5%" 0805-M#2 212.654,91.737 r0 top value=1k (schematic designator R36)
R36_4 "RES 1k 0805 125mW 5%" 0805-M#2 277.763,91.821 r0 top value=1k (schematic designator R36)